# KiCad board omodri_laas.kicad_pcb (continued)
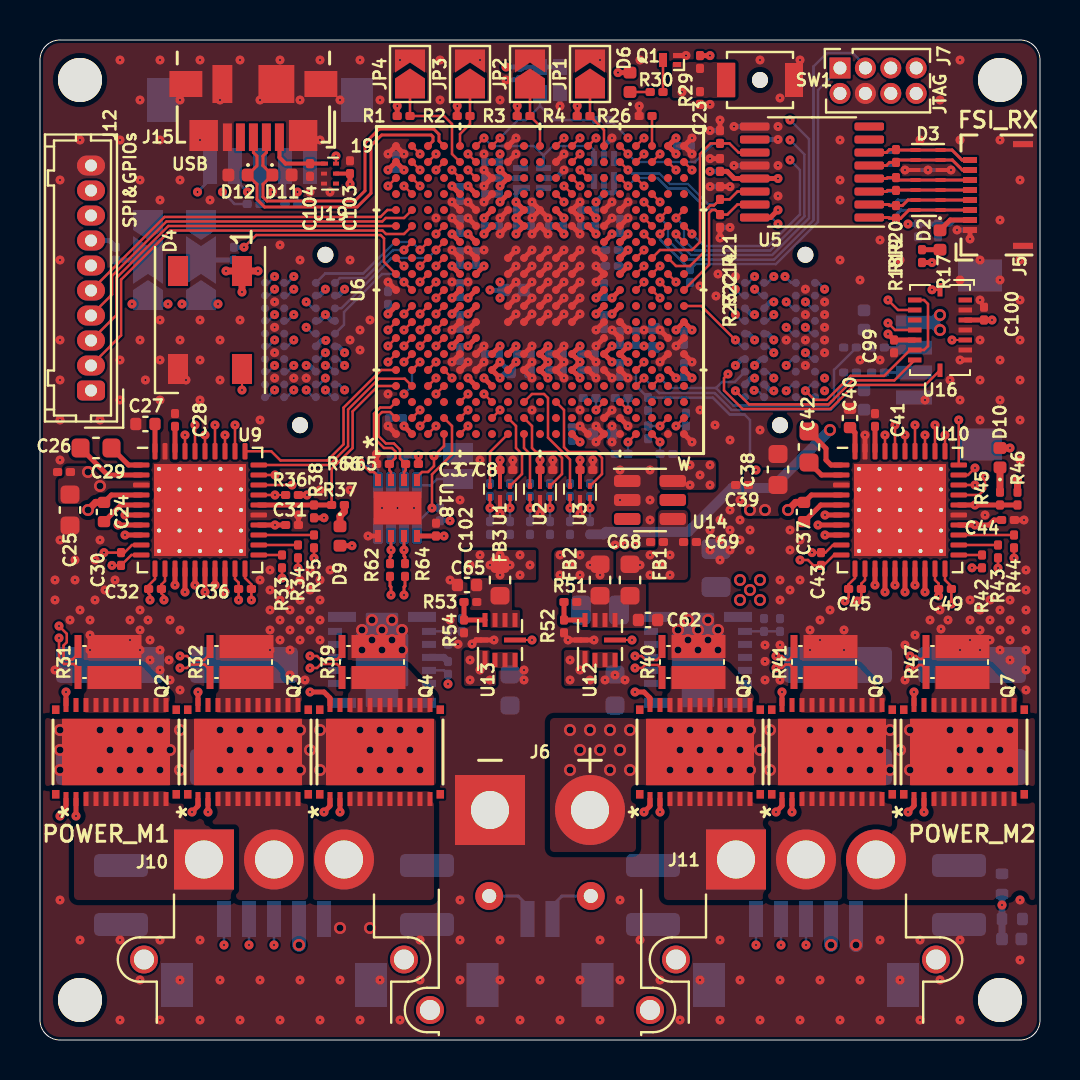
[diagram p0: board, top side]
## Copper pours and planes (outline as drawn; the poured copper is in the pictures) (continued)
VDD_1V2 on Top: 21.2,23 24.8,23 24.8,24.5 21.2,24.5
VDD_1V2 on In4_PWR.Cu: 25.4,39.5 27.8,39.5 28.2,39.9 28.2,40.7 29.8,40.7 29.8,39.9 29,39.9 29,36.7 27.4,36.7 26.2,35.5 26.2,29.5 22.5,29.5 22.5,25 24.9,25 24.9,23 21,23 21,30 22,31 24.6,31 24.6,34.7 23.8,35.5 20.6,35.5 20.2,35.9 20.2,36.7 21.8,36.7 21.8,37.9 20.6,37.9 20.2,38.3 20.2,39.1 20.6,39.5 21.8,39.5 21.8,41.5 23.4,41.5 23.4,42.3 25.4,42.3
VDD_3V3 on Top: 28.7,24.5 25.7,24.5 25.7,23 28.7,23
VDD_3V3 on In4_PWR.Cu: 50,16.4 40.3,16.4 40.3,27.3 35,27.3 33.5,25.5 33.5,24.5 34.2,23.8 34.2,20.3 5.8,20.3 5.8,29 0,29 0,50 50,50
VDDA_3V3 on Top: 32.4,26.5 30.9,26.5 30.9,24.5 28.8,24.5 28.8,23 32.4,23
VDDA_3V3 on In4_PWR.Cu: 31.9,29.2 31.9,22.9 28.6,22.9 28.6,32.3 27.8,32.3 27.8,35.1 34.3,35.1 34.3,32.1 44,32.1 44,37 45.5,37 45.5,29.8 33,29.8 33,33.5 31.4,33.5 31.4,29.2
/JTAG + CLOCK + RESET/~{XRSn} on Top: 34.8,47.1 31.6,47.1 31.6,48.9 34.8,48.9
/OMODRI_driver_M1/MOTOR_CH1 on Top: 9.8,10.7 9.8,7 1.7,7 1.7,12.7 8.2,12.7 8.2,10.7
/OMODRI_driver_M1/MOTOR_CH2 on Top: 13.4,7 9.8,7 9.8,10.7 8.2,10.7 8.2,12.7 13.4,12.7
/OMODRI_driver_M1/MOTOR_CH3 on Top: 19.7,7 13.4,7 13.4,12.7 19.7,12.7
/OMODRI_driver_M1/OUT_M1_CH1 on Top: 6.49,17.2 6.49,16.1 2.19,16.1 2.19,18.7 5.09,18.7
/OMODRI_driver_M1/OUT_M1_CH2 on Top: 13.1,17.2 13.1,16.1 8.8,16.1 8.8,18.7 11.7,18.7
/OMODRI_driver_M1/OUT_M1_CH3 on Top: 19.7,17.2 19.7,16.1 15.4,16.1 15.4,18.7 18.3,18.7
/OMODRI_driver_M2/MOTOR_CH1 on Top: 36.4,7 31.2,7 31.2,12.7 36.4,12.7
/OMODRI_driver_M2/MOTOR_CH2 on Top: 40.1,9.1 40.1,7 36.4,7 36.4,12.7 42.6,12.7 42.6,9.1
/OMODRI_driver_M2/MOTOR_CH3 on Top: 49.95,7 40.1,7 40.1,9.1 42.6,9.1 42.6,12.7 49.95,12.7
/OMODRI_driver_M2/OUT_M1_CH1 on Top: 35.7,17.2 35.7,16.1 31.3,16.1 31.3,18.7 34.3,18.7
/OMODRI_driver_M2/OUT_M1_CH2 on Top: 42.29,17.2 42.29,16.1 37.99,16.1 37.99,18.7 40.89,18.7
/OMODRI_driver_M2/OUT_M1_CH3 on Top: 48.88,17.2 48.88,16.1 44.58,16.1 44.58,18.7 47.48,18.7
/OMODRI_GPIO/ANALOG_IN1 on Bottom: 41.8,32.1 40.6,32.1 40.6,33.6 41.8,33.6
/OMODRI_GPIO/ANALOG_IN2 on Bottom: 41.8,34.4 40.6,34.4 40.6,35.9 41.8,35.9
/Power distribution/OMODRI_Alim_1V2/SW on Top: 22.6,18.6 23.9,18.6 23.9,19.4 22.6,19.4
/Power distribution/OMODRI_Alim_3V3/SW on Top: 27.6,18.6 28.9,18.6 28.9,19.4 27.6,19.4
REF_3V0_BUF on Top: 33.8,29 31.9,29 31.9,30.6 29,30.6 29,31 28.3,31 28.3,29.8 28.9,29.2 31,29.2 31,27.5 33.8,27.5
REF_3V0_BUF on In4_PWR.Cu: 33,29.8 34,29.8 34,27.5 31.4,27.5 31.4,33.5 33,33.5
VPOWER on Top, In3_sig.Cu: 50,12.7 29.8,12.7 29.8,9.4 25.5,9.4 25.5,16.1 50,16.1
VPOWER on Top, In3_sig.Cu: 19.8,12.7 0,12.7 0,16.1 19.8,16.1
VPOWER on Bottom: 14,16.1 14,18 15.4,18 15.4,17.4 30.1,17.4 30.1,18 31.1,18 31.1,17.3 36.5,17.3 36.5,16.1 50,16.1 50,8 0,8 0,16.1
VPOWER on In4_PWR.Cu: 50,8 25,8 24.4,13.4 20.6,13.4 20,8 0,8 0,27 3,27 3,16.1 37,16.1 37,27 40,27 40,16.1 50,16.1

## Text on the board
B.Silkscreen: µOMODRI  V2.0 | COM_SPI | CAN | RS-485 | Quad / Enc1 | Quad / Enc2 | ANALOG_IN | FSI_TX
F.Silkscreen: USB | SPI&GPIOs | JTAG | POWER_M1 | POWER_M2 | FSI_RX
